# Altium PCB MOTHER_BOARD_LS1021_v1.0.PcbDoc (part 1 of 15) (continued)
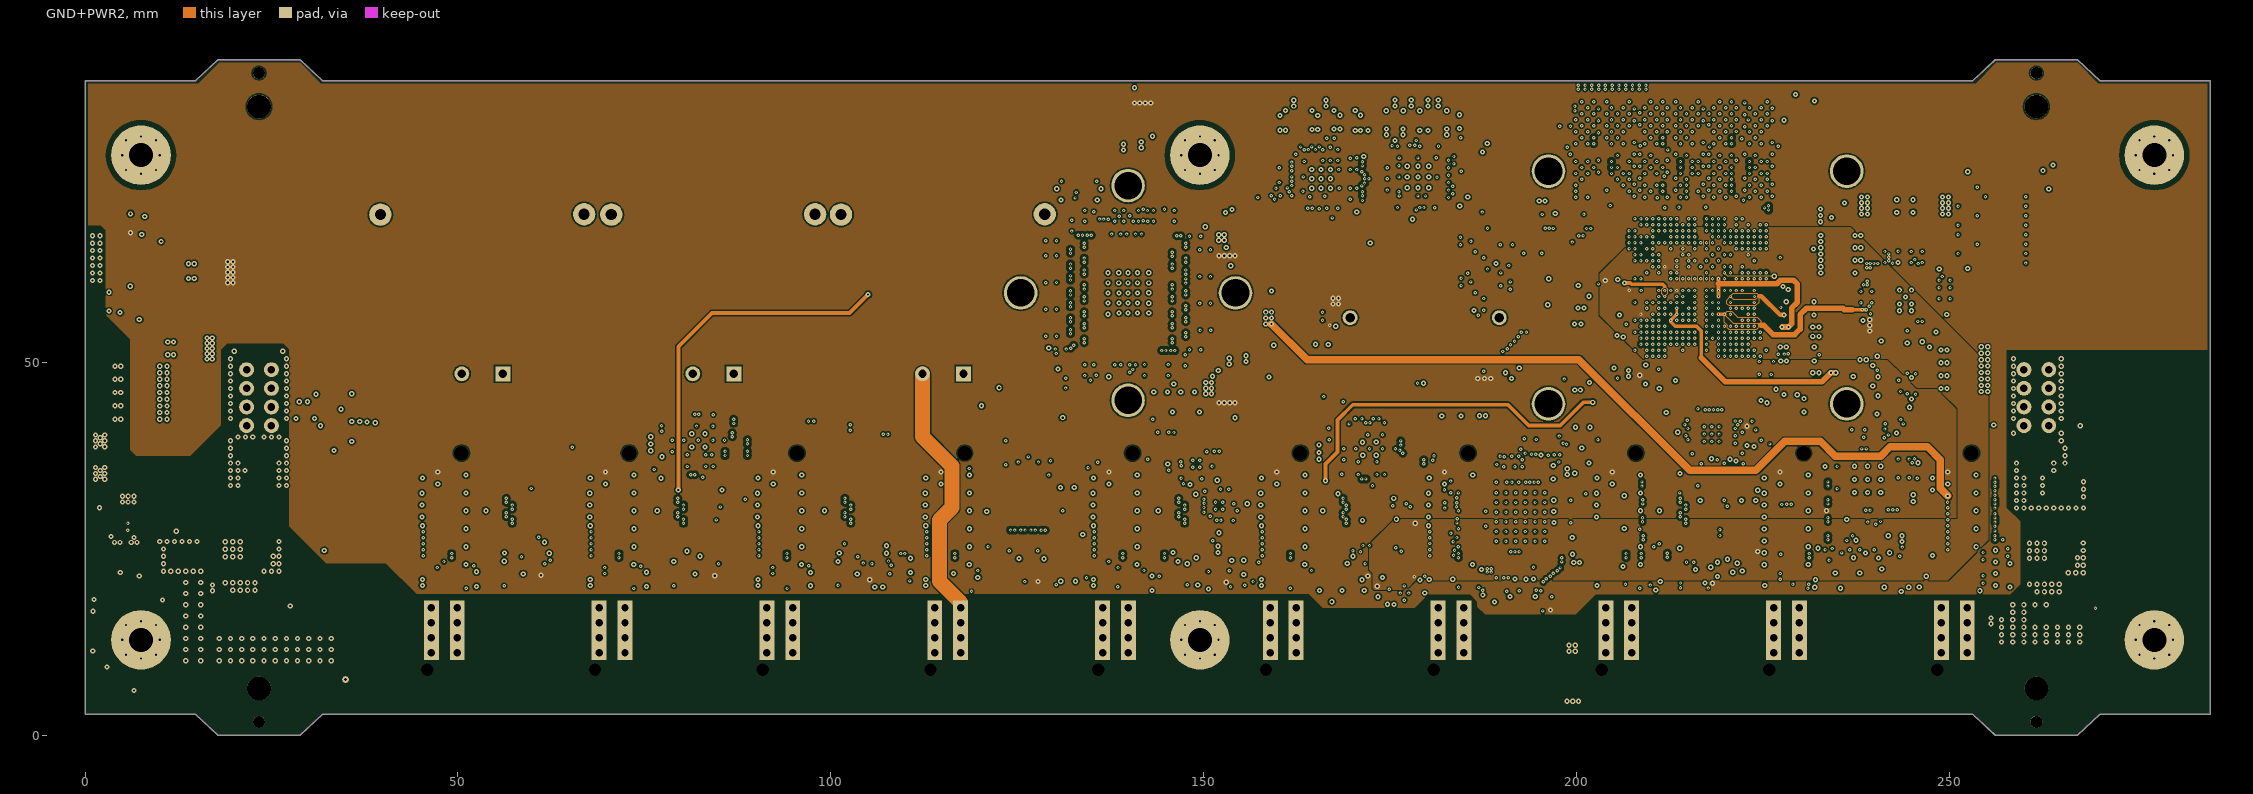
[diagram p7: GND+PWR2]
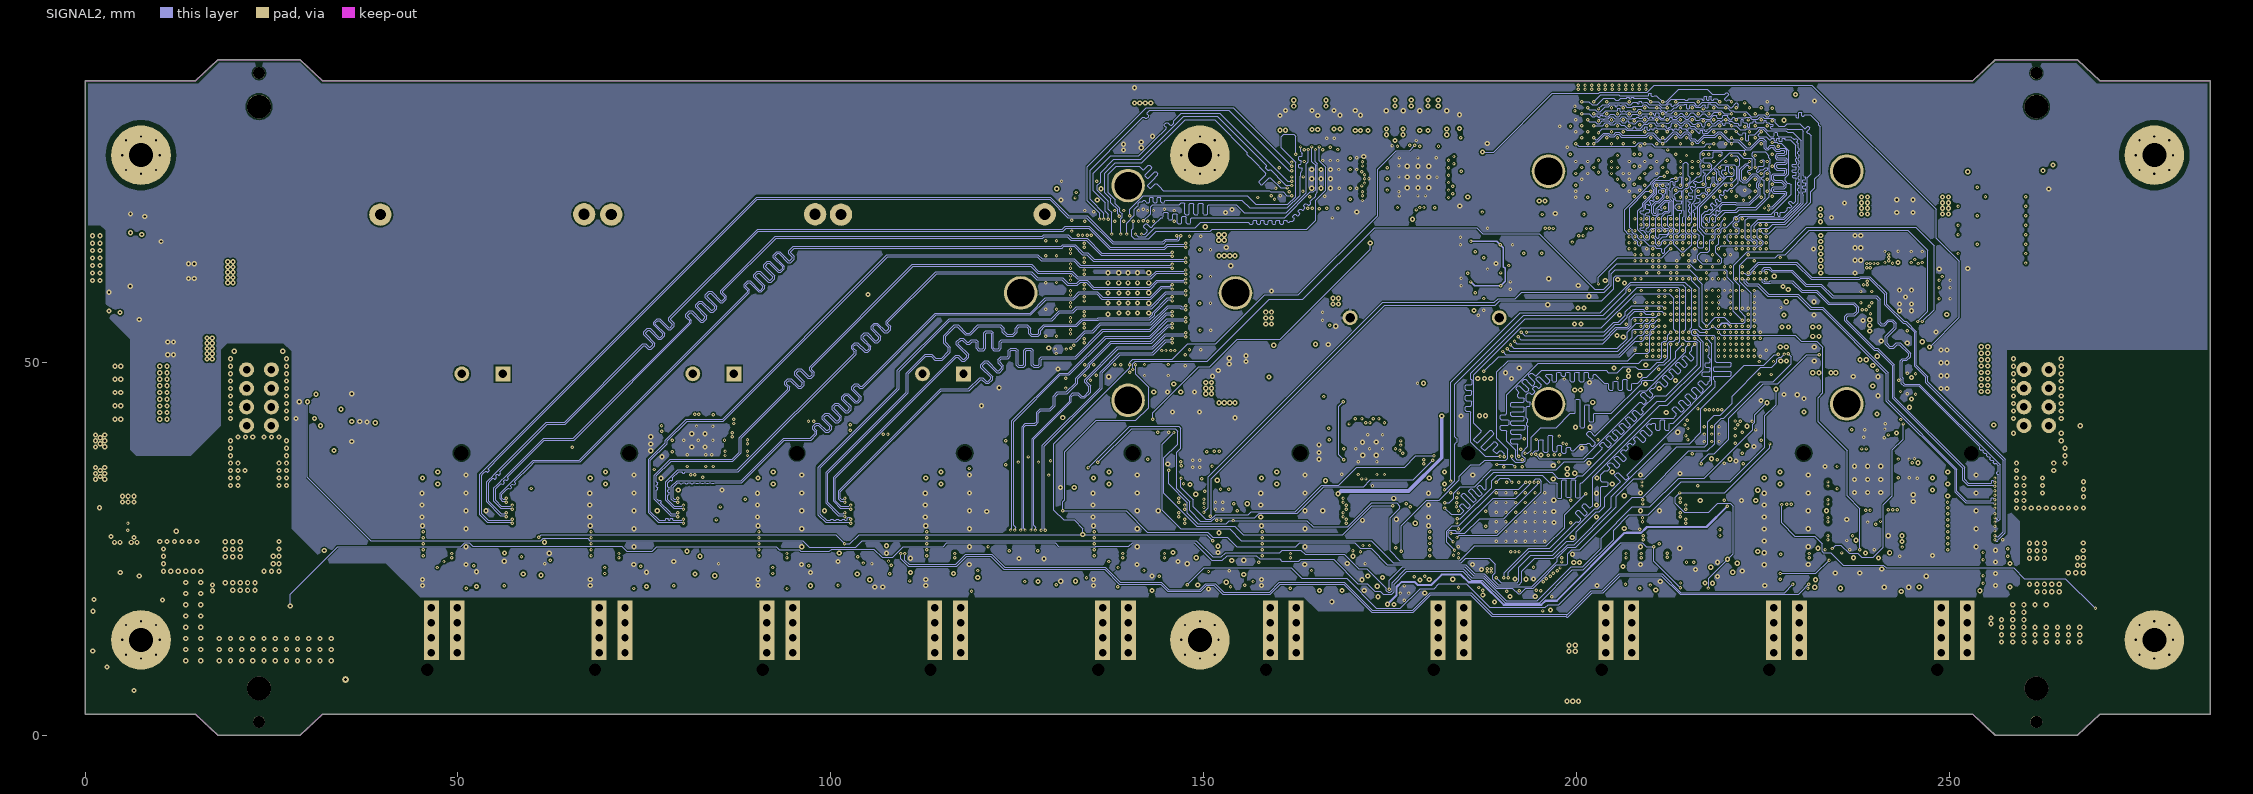
[diagram p8: SIGNAL2]
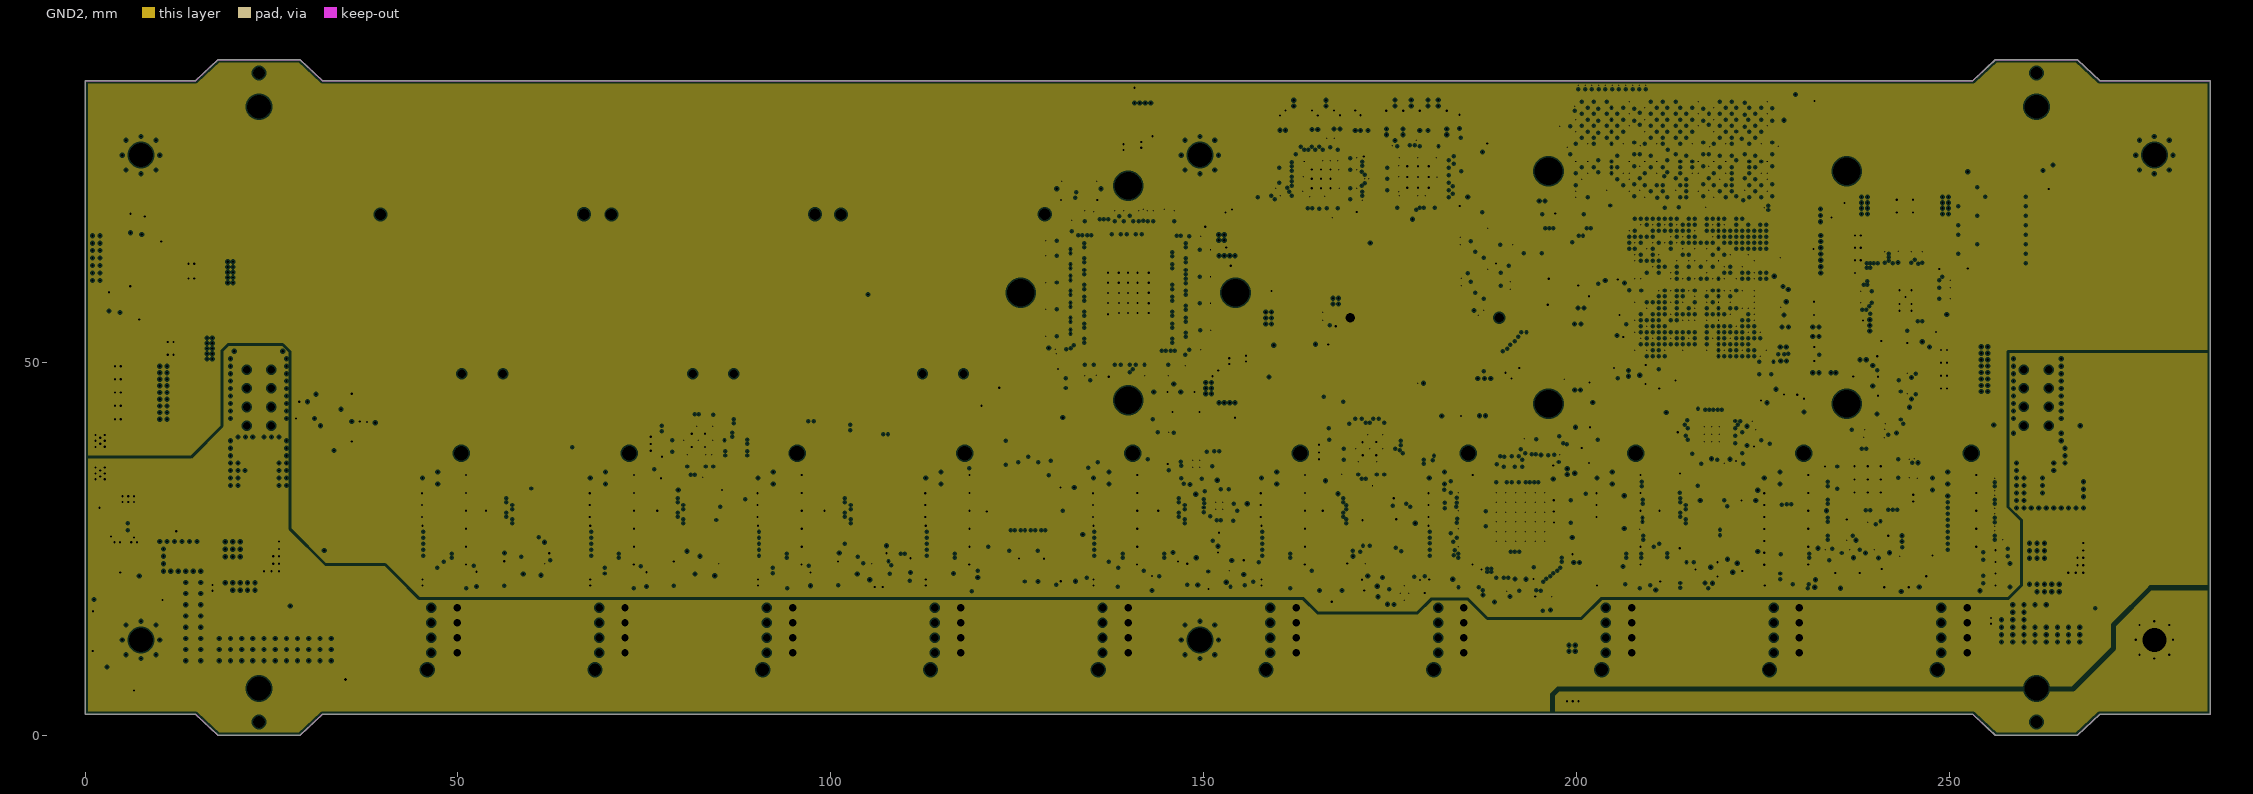
[diagram p9: GND2, clearances drawn from the general rule]

## Layer stack, top to bottom
Solder Mask Top: solder mask 0.01, Solder Resist, Dk 3.5
TOP: signal copper 0.012
Dielectric 1: prepreg 0.105, 2116, Dk 4.2
GND1: plane copper 0.035, net (Multiple Nets)
Dielectric 3: core 0.1, it-180a, Dk 4.2
SIGNAL1: signal copper 0.035
Dielectric 4: prepreg 0.36, 2*7628, Dk 4.2
GND+PWR1: signal copper 0.035
Dielectric 5: core 0.1, it-180a, Dk 4.2
POWER1: plane copper 0.035, net (Multiple Nets)
Dielectric 6: prepreg 0.105, 2116, Dk 4.2
POWER2: plane copper 0.035, net (Multiple Nets)
Dielectric 7: core 0.1, it-180a, Dk 4.2
GND+PWR2: signal copper 0.035
Dielectric 8: prepreg 0.36, 2*7628, Dk 4.2
SIGNAL2: signal copper 0.035
Dielectric 9: core 0.1, it-180a, Dk 4.2
GND2: plane copper 0.035, net (Multiple Nets)
Dielectric 2: prepreg 0.105, 2116, Dk 4.2
BOTTOM: signal copper 0.012
Solder Mask Bottom: solder mask 0.01, Solder Resist, Dk 3.5

## Board outline
0,87.8 0,2.8 14.825,2.8 17.825,0 28.825,0 31.825,2.8 253.175,2.8 256.175,0 267.175,0 270.175,2.8 285,2.8 285,87.8 270.175,87.8 267.175,90.6 256.175,90.6 253.175,87.8 31.825,87.8 28.825,90.6 17.825,90.6 14.825,87.8

## Design rules (kind name [scope] priority, off if disabled: settings)
Clearance Clearance_6 [InPolygon vs (InDifferentialPairClass('All Differential Pairs'))] p1: gap=0.35 ignorepadtopadclearanceinfootprint=FALSE
Clearance Clearance_7 [InPolygon vs (InNetClass('50 Ом'))] p2: gap=0.35 ignorepadtopadclearanceinfootprint=FALSE
Clearance Clearance_2 [InNetClass('12V')] p3: gap=0.2 ignorepadtopadclearanceinfootprint=FALSE
Clearance Shield [InNet('SHIELD')] p4: gap=0.7 ignorepadtopadclearanceinfootprint=FALSE
Clearance General [All] p5: gap=0.099 ignorepadtopadclearanceinfootprint=FALSE except(0.2: Arc-Poly Track-Poly SMDPad-Poly THPad-Poly Via-Poly Fill-Poly Poly-Poly Poly-Region Poly-Text Poly-Hole)
ComponentClearance [All] p1: gap=0.1 collisioncheckmode=3 verticalgap=0.1 showdistances=FALSE
DiffPairsRouting DiffPairsRouting_1 [InDifferentialPairClass('100')] p1: maxlimit=1 minlimit=0.1 mostfreqgap=1 toplayer_maxgap=0.1 toplayer_prefgap=0.1 toplayer_minwidth=0.12 toplayer_maxwidth=0.12 toplayer_prefwidth=0.12 midlayer1_mingap=0.18 midlayer1_maxgap=0.18 midlayer1_prefgap=0.18 midlayer1_minwidth=0.075 midlayer1_maxwidth=0.075 midlayer1_prefwidth=0.075 midlayer2_mingap=1 midlayer2_minwidth=1 midlayer2_maxwidth=1 midlayer2_prefwidth=1 midlayer3_mingap=1 midlayer3_minwidth=1 midlayer3_maxwidth=1 midlayer3_prefwidth=1 midlayer4_mingap=0.18 midlayer4_maxgap=0.18 midlayer4_prefgap=0.18 midlayer4_minwidth=0.075 midlayer4_maxwidth=0.075 midlayer4_prefwidth=0.075 bottomlayer_maxgap=0.1 bottomlayer_prefgap=0.1 bottomlayer_minwidth=0.12 bottomlayer_maxwidth=0.12 bottomlayer_prefwidth=0.12 maxuncoupledlength=12.7
DiffPairsRouting [InDifferentialPairClass('90')] p2: maxlimit=1 minlimit=0.1 mostfreqgap=1 toplayer_maxgap=0.1 toplayer_prefgap=0.1 toplayer_minwidth=0.15 toplayer_maxwidth=0.15 toplayer_prefwidth=0.15 midlayer1_mingap=0.15 midlayer1_maxgap=0.15 midlayer1_prefgap=0.15 midlayer1_minwidth=0.09 midlayer1_maxwidth=0.09 midlayer1_prefwidth=0.09 midlayer2_mingap=1 midlayer2_minwidth=1 midlayer2_maxwidth=1 midlayer2_prefwidth=1 midlayer3_mingap=1 midlayer3_minwidth=1 midlayer3_maxwidth=1 midlayer3_prefwidth=1 midlayer4_mingap=0.15 midlayer4_maxgap=0.15 midlayer4_prefgap=0.15 midlayer4_minwidth=0.09 midlayer4_maxwidth=0.09 midlayer4_prefwidth=0.09 bottomlayer_maxgap=0.1 bottomlayer_prefgap=0.1 bottomlayer_minwidth=0.15 bottomlayer_maxwidth=0.15 bottomlayer_prefwidth=0.15 maxuncoupledlength=12.7
MatchedLengths 2D [InxSignalClass('2D')] p1: tolerance=0.1 checknetsindiffpair=FALSE checkdiffpairvsdiffpair=TRUE checkxsignals=TRUE checkothers=TRUE
MatchedLengths DIFF [All] p2: tolerance=0.1 checknetsindiffpair=TRUE checkdiffpairvsdiffpair=FALSE checkxsignals=FALSE checkothers=FALSE
MatchedLengths DDR_ECC [InxSignalClass('DDR_ECC')] p3: tolerance=0.05 checknetsindiffpair=FALSE checkdiffpairvsdiffpair=TRUE checkxsignals=TRUE checkothers=TRUE
MatchedLengths MatchedLengths_DDR_CLOCKS_STROBES [InxSignalClass('ADDR_PP1') OR InxSignalClass('ADDR_PP2') OR InxSignalClass('ADDR_PP3') OR InxSignalClass('DATA_BL0') OR InxSignalClass('DATA_BL1') OR InxSignalClass('DATA_BL2') OR InxSignalClass('DATA_BL3')] p4: tolerance=0.05 checknetsindiffpair=TRUE checkdiffpairvsdiffpair=FALSE checkxsignals=FALSE checkothers=FALSE
MatchedLengths MatchedLengths_DATA_BL3 [InxSignalClass('DATA_BL3')] p5: tolerance=0.05 checknetsindiffpair=FALSE checkdiffpairvsdiffpair=TRUE checkxsignals=TRUE checkothers=TRUE
MatchedLengths MatchedLengths_DATA_BL2 [InxSignalClass('DATA_BL2')] p6: tolerance=0.05 checknetsindiffpair=FALSE checkdiffpairvsdiffpair=TRUE checkxsignals=TRUE checkothers=TRUE
MatchedLengths MatchedLengths_DATA_BL1 [InxSignalClass('DATA_BL1')] p7: tolerance=0.05 checknetsindiffpair=FALSE checkdiffpairvsdiffpair=TRUE checkxsignals=TRUE checkothers=TRUE
MatchedLengths MatchedLengths_DATA_BL0 [InxSignalClass('DATA_BL0')] p8: tolerance=0.05 checknetsindiffpair=FALSE checkdiffpairvsdiffpair=TRUE checkxsignals=TRUE checkothers=TRUE
MatchedLengths MatchedLengths_ADDR_PP3 [InxSignalClass('ADDR_PP3')] p9: tolerance=0.05 checknetsindiffpair=FALSE checkdiffpairvsdiffpair=TRUE checkxsignals=TRUE checkothers=TRUE
MatchedLengths MatchedLengths_ADDR_PP2 [InxSignalClass('ADDR_PP2')] p10: tolerance=0.05 checknetsindiffpair=FALSE checkdiffpairvsdiffpair=TRUE checkxsignals=TRUE checkothers=TRUE
MatchedLengths MatchedLengths_ADDR_PP1 [InxSignalClass('ADDR_PP1')] p11: tolerance=0.05 checknetsindiffpair=FALSE checkdiffpairvsdiffpair=TRUE checkxsignals=TRUE checkothers=TRUE
MatchedLengths FLASH [InxSignalClass('FLASH')] p12: tolerance=0.1 checknetsindiffpair=FALSE checkdiffpairvsdiffpair=TRUE checkxsignals=TRUE checkothers=TRUE
MatchedLengths DD36_DD24_1G [InxSignalClass('DD36_DD24_1G')] p13: tolerance=0.1 checknetsindiffpair=FALSE checkdiffpairvsdiffpair=TRUE checkxsignals=TRUE checkothers=TRUE
MatchedLengths P0_TX [InxSignalClass('P0_TX')] p14: tolerance=0.1 checknetsindiffpair=FALSE checkdiffpairvsdiffpair=TRUE checkxsignals=TRUE checkothers=TRUE
MatchedLengths P0_RX [InxSignalClass('P0_RX')] p15: tolerance=0.1 checknetsindiffpair=FALSE checkdiffpairvsdiffpair=TRUE checkxsignals=TRUE checkothers=TRUE
MatchedLengths ETH1_RGMII_RX [InxSignalClass('ETH1_RGMII_RX')] p16: tolerance=0.1 checknetsindiffpair=FALSE checkdiffpairvsdiffpair=TRUE checkxsignals=TRUE checkothers=TRUE
MatchedLengths ETH1_RGMII_TX [InxSignalClass('ETH1_RGMII_TX')] p17: tolerance=0.1 checknetsindiffpair=FALSE checkdiffpairvsdiffpair=TRUE checkxsignals=TRUE checkothers=TRUE
MatchedLengths MMC [InxSignalClass('MMC')] p18: tolerance=0.1 checknetsindiffpair=FALSE checkdiffpairvsdiffpair=TRUE checkxsignals=TRUE checkothers=TRUE
MatchedLengths HUB2_USB4 [InxSignalClass('HUB2_USB4')] p19: tolerance=0.1 checknetsindiffpair=FALSE checkdiffpairvsdiffpair=TRUE checkxsignals=TRUE checkothers=TRUE
MatchedLengths HUB2_USB3 [InxSignalClass('HUB2_USB3')] p20: tolerance=0.1 checknetsindiffpair=FALSE checkdiffpairvsdiffpair=TRUE checkxsignals=TRUE checkothers=TRUE
MatchedLengths HUB2_USB2 [InxSignalClass('HUB2_USB2')] p21: tolerance=0.1 checknetsindiffpair=FALSE checkdiffpairvsdiffpair=TRUE checkxsignals=TRUE checkothers=TRUE
MatchedLengths HUB2_USB1 [InxSignalClass('HUB2_USB1')] p22: tolerance=0.1 checknetsindiffpair=FALSE checkdiffpairvsdiffpair=TRUE checkxsignals=TRUE checkothers=TRUE
MatchedLengths HUB1_USB4 [InxSignalClass('HUB1_USB4')] p23: tolerance=0.1 checknetsindiffpair=FALSE checkdiffpairvsdiffpair=TRUE checkxsignals=TRUE checkothers=TRUE
MatchedLengths HUB1_USB3 [InxSignalClass('HUB1_USB3')] p24: tolerance=0.1 checknetsindiffpair=FALSE checkdiffpairvsdiffpair=TRUE checkxsignals=TRUE checkothers=TRUE
MatchedLengths HUB1_USB2 [InxSignalClass('HUB1_USB2')] p25: tolerance=0.1 checknetsindiffpair=FALSE checkdiffpairvsdiffpair=TRUE checkxsignals=TRUE checkothers=TRUE
MatchedLengths HUB1_USB1 [InxSignalClass('HUB1_USB1')] p26: tolerance=0.1 checknetsindiffpair=FALSE checkdiffpairvsdiffpair=TRUE checkxsignals=TRUE checkothers=TRUE
MatchedLengths REFCLK [InxSignalClass('REFCLK')] p27: tolerance=0.1 checknetsindiffpair=FALSE checkdiffpairvsdiffpair=TRUE checkxsignals=TRUE checkothers=TRUE
MatchedLengths USB_ULPI [InxSignalClass('USB_ULPI')] p28: tolerance=0.1 checknetsindiffpair=FALSE checkdiffpairvsdiffpair=TRUE checkxsignals=TRUE checkothers=TRUE
MatchedLengths ULPI [InxSignalClass('ULPI')] p29: tolerance=0.1 checknetsindiffpair=FALSE checkdiffpairvsdiffpair=TRUE checkxsignals=TRUE checkothers=TRUE
MatchedLengths USB1 [InxSignalClass('USB1')] p30: tolerance=0.1 checknetsindiffpair=FALSE checkdiffpairvsdiffpair=TRUE checkxsignals=TRUE checkothers=TRUE
MatchedLengths HDMI [InxSignalClass('HDMI')] p31: tolerance=0.1 checknetsindiffpair=FALSE checkdiffpairvsdiffpair=TRUE checkxsignals=TRUE checkothers=TRUE
MatchedLengths PHY8 [InxSignalClass('PHY8')] p32: tolerance=0.1 checknetsindiffpair=FALSE checkdiffpairvsdiffpair=TRUE checkxsignals=TRUE checkothers=TRUE
MatchedLengths PHY7 [InxSignalClass('PHY7')] p33: tolerance=0.1 checknetsindiffpair=FALSE checkdiffpairvsdiffpair=TRUE checkxsignals=TRUE checkothers=TRUE
MatchedLengths PHY6 [InxSignalClass('PHY6')] p34: tolerance=0.1 checknetsindiffpair=FALSE checkdiffpairvsdiffpair=TRUE checkxsignals=TRUE checkothers=TRUE
MatchedLengths PHY5 [InxSignalClass('PHY5')] p35: tolerance=0.1 checknetsindiffpair=FALSE checkdiffpairvsdiffpair=TRUE checkxsignals=TRUE checkothers=TRUE
MatchedLengths PHY4 [InxSignalClass('PHY4')] p36: tolerance=0.1 checknetsindiffpair=FALSE checkdiffpairvsdiffpair=TRUE checkxsignals=TRUE checkothers=TRUE
MatchedLengths PHY3 [InxSignalClass('PHY3')] p37: tolerance=0.1 checknetsindiffpair=FALSE checkdiffpairvsdiffpair=TRUE checkxsignals=TRUE checkothers=TRUE
MatchedLengths PHY2 [InxSignalClass('PHY2')] p38: tolerance=0.1 checknetsindiffpair=FALSE checkdiffpairvsdiffpair=TRUE checkxsignals=TRUE checkothers=TRUE
MatchedLengths PHY1 [InxSignalClass('PHY1')] p39: tolerance=0.1 checknetsindiffpair=FALSE checkdiffpairvsdiffpair=TRUE checkxsignals=TRUE checkothers=TRUE
MatchedLengths P10_SGMII [InxSignalClass('P10_SGMII')] p40: tolerance=0.1 checknetsindiffpair=FALSE checkdiffpairvsdiffpair=TRUE checkxsignals=TRUE checkothers=TRUE
MatchedLengths P9_SGMII [InxSignalClass('P9_SGMII')] p41: tolerance=0.1 checknetsindiffpair=FALSE checkdiffpairvsdiffpair=TRUE checkxsignals=TRUE checkothers=TRUE
MatchedLengths SGMII1 [InxSignalClass('SGMII1')] p42: tolerance=0.1 checknetsindiffpair=FALSE checkdiffpairvsdiffpair=TRUE checkxsignals=TRUE checkothers=TRUE
MatchedLengths SGMII0 [InxSignalClass('SGMII0')] p43: tolerance=0.1 checknetsindiffpair=FALSE checkdiffpairvsdiffpair=TRUE checkxsignals=TRUE checkothers=TRUE
MaxMinImpedance "Default Impedance" [All] p1: minimum=50,00 maximum=150,0
MinimumSolderMaskSliver [All] p1: minsoldermaskwidth=0.099
PlaneClearance PlaneClearance_2 [InNetClass('12V')] p1: clearance=0.2
PlaneClearance PlaneClearance_1 [InNet('SHIELD')] p2: clearance=0.7
PlaneClearance [All] p3: clearance=0.2
PlaneConnect PlaneConnect_1 [InNet('SHIELD')] p1: planeconnectstyle=Direct reliefexpansion=0.508 reliefentries=4 reliefconductorwidth=0.254 reliefairgap=0.254
PlaneConnect [All] p2: pad.planeconnectstyle=Relief pad.reliefexpansion=0.25 pad.reliefentries=4 pad.reliefconductorwidth=0.4 pad.reliefairgap=0.25 via.planeconnectstyle=Direct via.reliefexpansion=0.25 via.reliefentries=4 via.reliefconductorwidth=0.35 via.reliefairgap=0.25
PolygonConnect [All] p1: thpad.connectstyle=Relief thpad.reliefconductorwidth=0.35 thpad.reliefentries=4 thpad.polygonreliefangle="90 Angle" thpad.airgapwidth=0.25 smdpad.connectstyle=Relief smdpad.reliefconductorwidth=0.35 smdpad.reliefentries=4 smdpad.polygonreliefangle="90 Angle" smdpad.airgapwidth=0.25 via.connectstyle=Direct via.reliefconductorwidth=0.35 via.reliefentries=4 via.polygonreliefangle="90 Angle" via.airgapwidth=0.25
RoutingTopology RoutingTopology_DDRAddressAndControls [InNetClass('DDR_AddressAndControls')] p1: topology=Daisy_Simple
RoutingTopology [All] p2: topology=Shortest
RoutingVias [All] p1: holewidth=0.3 width=0.7 viastyle="Through Hole" minholewidth=0.2 minwidth=0.45 maxholewidth=0.3 maxwidth=0.7
SolderMaskExpansion [All] p1: expansion=0.102 istentingtop=FALSE
Width [InNetClass('50')] p1: maxlimit=0.196 minlimit=0.113 preferedwidth=0.113 toplayer_minwidth=0.149 toplayer_prefwidth=0.196 midlayer1_maxwidth=0.113 midlayer2_maxwidth=0.113 midlayer3_maxwidth=0.113 midlayer4_maxwidth=0.113 bottomlayer_minwidth=0.149 bottomlayer_prefwidth=0.196 minimp=50.000000 maximp=50.000000 favimp=50.000000
Width Width_1 [All] p2: maxlimit=10 minlimit=2539.975 preferedwidth=0.2 toplayer_minwidth=0 midlayer1_minwidth=0 midlayer2_minwidth=0 midlayer3_minwidth=0 midlayer4_minwidth=0 bottomlayer_minwidth=0 minimp=50.000000 maximp=50.000000 favimp=50.000000
24 further rules are at their usual default settings.

## Classes and differential pairs
component class CONNECTORS: C505 C506 C507 C508 C509 C510 C511 C512 C513 C514 C515 C516 C517 C518 C519 C520 C521 C522 C523 C524 C525 C526 C527 C528 C530 C531 C532 C533 C534 C535 C536 C537 DD37 DD38 DD39 DD40 DD41 DD42 DD43 DD44 DD45 DD46 DD47 DD48 DD49 DD50 DD51 DD52 DD53 DD54 R291 R292 R293 R294 R295 R296 R297 R298 R299 R300 R301 R302 R303 R304 R305 R306 R307 R308 R309 R310 R311 R312 R313 R314 R315 R316 R317 R318 R319 R320 R321 R322 R323 R324 R325 R326 R327 R328 R329 R330 R331 R332 R333 R334 R335 R336 R337 R338 R339 R340 R341 R342 R343 R344 R345 R346 R347 R348 R349 R350 R351 R352 R353 R354 R355 R356 R357 R358 R359 R360 R361 R362 R363 R364 R365 R366 R367 R368 R369 R370 R371 R372 R373 VD24 VD25 X3 X4 X5 X6 X7 X8 X9 X10 X11 X12
component class MPU_CONTROL: BQ1 C190 C191 C192 C193 C194 C195 C196 C197 C198 C199 C200 C201 C202 C203 C204 C205 C206 C207 C208 C209 C210 C211 C212 DA13 DD2 DD3 DD4 DD5 DD6 DD7 DD8 L17 R47 R48 R49 R50 R51 R52 R53 R54 R55 R56 R57 R58 R59 R60 R61 R62 R63 R64 R65 R66 R67 R68 R69 R70 R71 R72 R73 R74 R75 R76 R77 R78 R79 R80 R81 R82 R83 R84 R85 R86 R87 R88 SW2 TP6 TP7 X1 X2
component class MPU_DDR: C213 C214 C215 C216 C217 C218 C219 C220 C221 C222 C223 C224 C225 C226 C227 C228 C229 C230 C231 C232 C233 C234 C235 C236 C237 C238 C239 C240 C241 C242 C243 C244 C245 C246 C247 C248 C249 C250 C251 C252 C253 C254 C255 C256 C257 C258 C259 C260 C261 C262 C263 C264 DD1 DD9 DD10 DD11 DD12 DD13 R89 R90 R91 R92 R93 R94 R95 R96 R97 R98 R99 R100 R101 R102 R103 R104 R105 R106 R107 R108 R109 R110 R111 R112 R113 R114 R115 R116 R117 R118 R119 R120 R121 R122 R123 R124
component class MPU_GPIO: C363 C364 C365 C366 DD25 DD26 DD27 DD28 R238 R239 R240 R241 R242 R243 R244 R245
component class MPU_LCD: C311 C312 C313 C314 C315 C316 C317 C318 C319 C320 C321 C322 DD19 F1 L26 L27 L28 L29 R181 R182 R183 R184 R185 R186 R187 R188 R189 R190 R191 R192 R193 R194 R195 R196 R197 R198 R199 R200 R201 R202 R203 R204 R205 R206 R207 R208 R209 R210 R211 VD13 VD14 VD15
component class MPU_NAND: C265 C266 C267 C268 C269 C270 DD14 R125 R126
component class MPU_POWER: C92 C93 C94 C95 C96 C97 C98 C99 C100 C101 C102 C103 C104 C105 C106 C107 C108 C109 C110 C111 C112 C113 C114 C115 C116 C117 C118 C119 C120 C121 C122 C123 C124 C125 C126 C127 C128 C129 C130 C131 C132 C133 C134 C135 C136 C137 C138 C139 C140 C141 C142 C143 C144 C145 C146 C147 C148 C149 C150 C151 C152 C153 C154 C155 C156 C157 C158 C159 C160 C161 C162 C163 C164 C165 C166 C167 C168 C169 C170 C171 C172 C173 C174 C175 C176 C177 C178 C179 C180 C181 C182 C183 C184 C185 C186 C187 C188 C189 L11 L12 L13 L14 L15 L16 R39 R40 R41 R42 R43 R44 R45 R46
component class MPU_RCW: C367 DD29 DD30 R246 R247 R248 R249 R250 R251 R252 R253 R254 R255 R256 R257 R258 R259 R260 R261 R262 R263 R264 R265 R266 R267
component class MPU_RGMII: C336 C337 C338 C339 C340 C341 C342 C343 C344 C345 C346 C347 C348 C349 C350 C351 C352 C353 C354 C355 C356 C357 C358 C359 C360 C361 C362 DD23 DD24 L30 L31 L32 L33 R226 R227 R228 R229 R230 R231 R232 R233 R234 R235 R236 R237
component class MPU_SGMII: C323 C324 C325 C326 C327 C328 C329 C330 C331 C332 C333 C334 C335 DD20 DD21 DD22 R212 R213 R214 R215 R216 R217 R218 R219 R220 R221 R222 R223 R224 R225
component class MPU_USB: BQ2 BQ3 BQ4 C271 C272 C273 C274 C275 C276 C277 C278 C279 C280 C281 C282 C283 C284 C285 C286 C287 C288 C289 C290 C291 C292 C293 C294 C295 C296 C297 C298 C299 C300 C301 C302 C303 C304 C305 C306 C307 C308 C309 C310 DA14 DA15 DA16 DA17 DA18 DA19 DA20 DA21 DA22 DA23 DD15 DD16 DD17 DD18 L18 L19 L20 L21 L22 L23 L24 L25 R127 R128 R129 R130 R131 R132 R133 R134 R135 R136 R137 R138 R139 R140 R141 R142 R143 R144 R145 R146 R147 R148 R149 R150 R151 R152 R153 R154 R155 R156 R157 R158 R159 R160 R161 R162 R163 R164 R165 R166 R167 R168 R169 R170 R171 R172 R173 R174 R175 R176 R177 R178 R179 R180 VD5 VD6 VD7 VD8 VD9 VD10 VD11 VD12 VT4
component class POWER_MAIN: C1 C2 C3 C4 C5 C6 C7 C8 C9 C10 C11 C12 C13 C14 C15 C16 C17 C18 C19 C20 C21 C22 C23 C24 C25 C26 C27 C28 C29 C30 C31 C32 C33 C34 C35 C36 C37 C38 C39 C40 C41 C42 C43 C44 C45 C46 C47 C48 C49 C50 C51 C52 C53 C54 C55 C56 C57 C58 C59 C60 C61 C62 C63 C64 C65 C66 C67 C68 C69 C70 C71 C72 C73 C74 C75 C76 C77 C78 C79 C80 C81 C82 C83 C84 C85 C86 C87 C88 C89 C90 C91 C538 DA1 DA2 DA3 DA4 DA5 DA6 DA7 DA8 DA9 DA10 DA11 DA12 K1 L1 L2 L3 L4 L5 L6 L7 L8 L9 L10 R1 R2 R3 R4 R5 R6 R7 R8 R9 R10 R11 R12 R13 R14 R15 R16 R17 R18 R19 R20 R21 R22 R23 R24 R25 R26 R27 R28 R29 R30 R31 R32 R33 R34 R35 R36 R37 R38 RU1 RU2 RU3 RU4 SW1 TP1 TP2 TP3 TP4 TP5 VD1 VD2 VD3 VD4 VT1 VT2 VT3 X13 X14
component class SWITCH_CPU: BQ5 BQ6 C368 C369 C370 C371 C372 C373 C374 C375 C376 C377 C378 C379 C380 C381 C382 C383 C384 C385 C386 C387 C388 C389 C390 C391 C392 C393 C394 C395 C396 C397 C398 C399 C400 C401 C402 C403 C404 C405 C406 C407 C408 C409 C410 C411 C412 C413 C414 C415 C416 C417 C418 C419 C420 C421 C422 C423 C424 C425 C426 C427 C428 C429 C430 C431 C432 C433 C434 C435 C436 C437 C438 C439 C440 C529 DD31 DD32 DD33 DD35 DD36 L34 L35 L36 L37 L38 R268 R269 R270 R271 R272 R273 R274 R275 R276 R277 R278 R279 R280 R281 R282 R283 R284 R285 R286 R287 R288 R289 R290
component class SWITCH_P1_P8: C441 C442 C443 C444 C445 C446 C447 C448 C449 C450 C451 C452 C453 C454 C455 C456 C457 C458 C459 C460 C461 C462 C463 C464 C465 C466 C467 C468 C469 C470 C471 C472 C473 C474 C475 C476 C477 C478 C479 C480 C481 C482 C483 C484 C485 C486 C487 C488 C489 C490 C491 C492 C493 C494 C495 C496 C497 C498 C499 C500 C501 C502 C503 C504 DD34 VD16 VD17 VD18 VD19 VD20 VD21 VD22 VD23
net class 50: 2D-ACE_D00 2D-ACE_D01 2D-ACE_D02 2D-ACE_D03 2D-ACE_D04 2D-ACE_D05 2D-ACE_D06 2D-ACE_D07 2D-ACE_D08 2D-ACE_D09 2D-ACE_D10 2D-ACE_D11 2D_D00 2D_D01 2D_D02 2D_D03 2D_D04 2D_D05 2D_D06 2D_D07 2D_D08 2D_D09 2D_D10 2D_D11 6390_INT BTN_EXT C_CLK CCLK CD_EN CDEN cfg_dram_type cfg_ifc_te cfg_rcw_src0 cfg_rcw_src1 cfg_rcw_src2 cfg_rcw_src3 cfg_rcw_src4 cfg_rcw_src5 cfg_rcw_src6 cfg_rcw_src7 CH_SYNC CHSYNC CLK_RGMII_25M CLK_RGMII_125M CONSOLE_RXD CONSOLE_TXD CV_SYNC CVSYNC DDR_A0 DDR_A1 DDR_A2 DDR_A3 DDR_A4 DDR_A5 DDR_A6 DDR_A7 DDR_A8 DDR_A9 DDR_A10 DDR_A11 DDR_A12 DDR_A13 DDR_A14 DDR_A15 DDR_BA0 DDR_BA1 DDR_BA2 DDR_CAS DDR_CKE0 DDR_CLK DDR_CS DDR_DM0 DDR_DM1 DDR_DM2 DDR_DM3 DDR_DM8 DDR_DQ0 DDR_DQ1 DDR_DQ2 DDR_DQ3 DDR_DQ4 DDR_DQ5 DDR_DQ6 DDR_DQ7 DDR_DQ8 DDR_DQ9 DDR_DQ10 DDR_DQ11 DDR_DQ12 DDR_DQ13 DDR_DQ14 DDR_DQ15 DDR_DQ16 DDR_DQ17 DDR_DQ18 DDR_DQ19 DDR_DQ20 DDR_DQ21 DDR_DQ22 DDR_DQ23 DDR_DQ24 DDR_DQ25 DDR_DQ26 DDR_DQ27 DDR_DQ28 DDR_DQ29 DDR_DQ30 DDR_DQ31 DDR_ECC0 DDR_ECC1 DDR_ECC2 DDR_ECC3 DDR_ODT DDR_RAS DDR_RST DDR_WE DOUT1 DOUT2 DOUT3 DOUT4 DOUT5 DOUT6 DOUT7 DOUT8 EVT0 EVT1 EVT2 EVT3 EVT4 GLOBAL_RESET GPIO GPOUT1 GPOUT2 GPOUT3 GPOUT4 GPOUT5 GPOUT6 GPOUT7 GPOUT8 I2C1_SCL I2C1_SDA IFC_AD0/cfg_gpinput0 IFC_AD1/cfg_gpinput1 IFC_AD2/cfg_gpinput2 IFC_AD3/cfg_gpinput3 IFC_AD4/cfg_gpinput4 IFC_AD5/cfg_gpinput5 IFC_AD6/cfg_gpinput6 IFC_AD7/cfg_gpinput7 IFC_ALE IFC_CE IFC_CE2 IFC_CLE/cfg_rcw_src8 IFC_OE IFC_RB IFC_RB2 IFC_WE/cfg_eng_use0 IFC_WP IRQ0 IRQ1 JTAG_RST JTAG_TCK JTAG_TDI JTAG_TDO JTAG_TMS JTAG_TRST MDC MDC_RGMII MDC_SGMII0 MDC_SGMII1 MDIO MDIO_SGMII MMC_CLK MMC_CMD MMC_DAT0 MMC_DAT1 MMC_DAT2 MMC_DAT3 NetBQ1_1 NetBQ1_3 NetBQ2_1 NetBQ2_3 NetBQ3_1 NetBQ3_3 NetBQ4_3 NetBQ5_1 NetBQ5_3 NetBQ6_1 NetBQ6_3 NetC309_1 NetC341_2 NetDD1_H18 NetDD2_9 NetDD2_21 NetDD2_44 NetDD9_4 NetDD47_1 P0_LED1 P0_LED2 P0_RX_CLK P0_RX_DV P0_RXD0 P0_RXD1 P0_RXD2 P0_RXD3 P0_TX_CLK P0_TX_EN P0_TXD0 P0_TXD1 P0_TXD2 P0_TXD3 P1_INT P1_MDC P1_MDIO P1_PTP_SYNC P1_RESET P1_RST P1_SW_ADDR0 P1_SW_ADDR1 P1_SW_ADDR2 P1_SW_ADDR3 P1_SW_ADDR4 P2_INT P2_MDC P2_MDIO P2_PTP_SYNC P2_RESET P2_RST P2_SW_ADDR0 P2_SW_ADDR1 P2_SW_ADDR2 P2_SW_ADDR3 P2_SW_ADDR4 P3_INT P3_MDC P3_MDIO P3_PTP_SYNC P3_RESET P3_RST P3_SW_ADDR0 P3_SW_ADDR1 P3_SW_ADDR2 P3_SW_ADDR3 P3_SW_ADDR4 P4_INT P4_MDC P4_MDIO P4_PTP_SYNC P4_RESET P4_RST P4_SW_ADDR0 P4_SW_ADDR1 P4_SW_ADDR2 P4_SW_ADDR3 P4_SW_ADDR4 P5_INT P5_MDC P5_MDIO P5_PTP_SYNC P5_RESET P5_RST P5_SW_ADDR0 P5_SW_ADDR1 P5_SW_ADDR2 P5_SW_ADDR3 P5_SW_ADDR4 P6_INT P6_MDC P6_MDIO P6_PTP_SYNC P6_RESET P6_RST P6_SW_ADDR0 P6_SW_ADDR1 P6_SW_ADDR2 P6_SW_ADDR3 P6_SW_ADDR4 P7_INT P7_MDC P7_MDIO P7_PTP_SYNC P7_RESET P7_RST P7_SW_ADDR0 P7_SW_ADDR1 P7_SW_ADDR2 P7_SW_ADDR3 P7_SW_ADDR4 P8_INT P8_MDC P8_MDIO P8_PTP_SYNC P8_RESET P8_RST P8_SW_ADDR0 P8_SW_ADDR1 P8_SW_ADDR2 P8_SW_ADDR3 P8_SW_ADDR4 P9_P10_MDC P9_P10_MDIO PERIPH_RST PG1 PG2 PHY_RESET PORESET_B POWER_OFF PPS_IN PPS_OUT PTP_SYNC RX_CLK RX_CTRL RX_D0 RX_D1 RX_D2 RX_D3 SW_MDC SW_MDIO SWITCH_ADDR2 SWITCH_RST TX_CLK TX_CTRL TX_D0 TX_D1 TX_D2 TX_D3 UART1_RXD UART1_TXD USB2_CLK USB2_D0 USB2_D1 USB2_D2 USB2_D3 USB2_D4 USB2_D5 USB2_D6 USB2_D7 USB2_DIR USB2_NXT USB2_STP VIN2_STATE WDT_CLK WDT_RESET